# Altium PCB TEBF0808.PcbDoc (part 3 of 11)
Units mm, origin at the board's own origin, x right, y up, seen from the top; angles counter-clockwise.
Board outline 170 x 170 mm, 16 copper layers (L 01, L 02 G, L 03 S, L 04 G, L 05 S, L 06 G, L 07 P, L 08 P, L 09 P, L 10 P, L 11 G, L 12 S, L 13 G, L 14 S, L 15 G, L 16), stack 1.774 mm thick; 609 components, 869 nets, 3941 pads, 2358 vias.
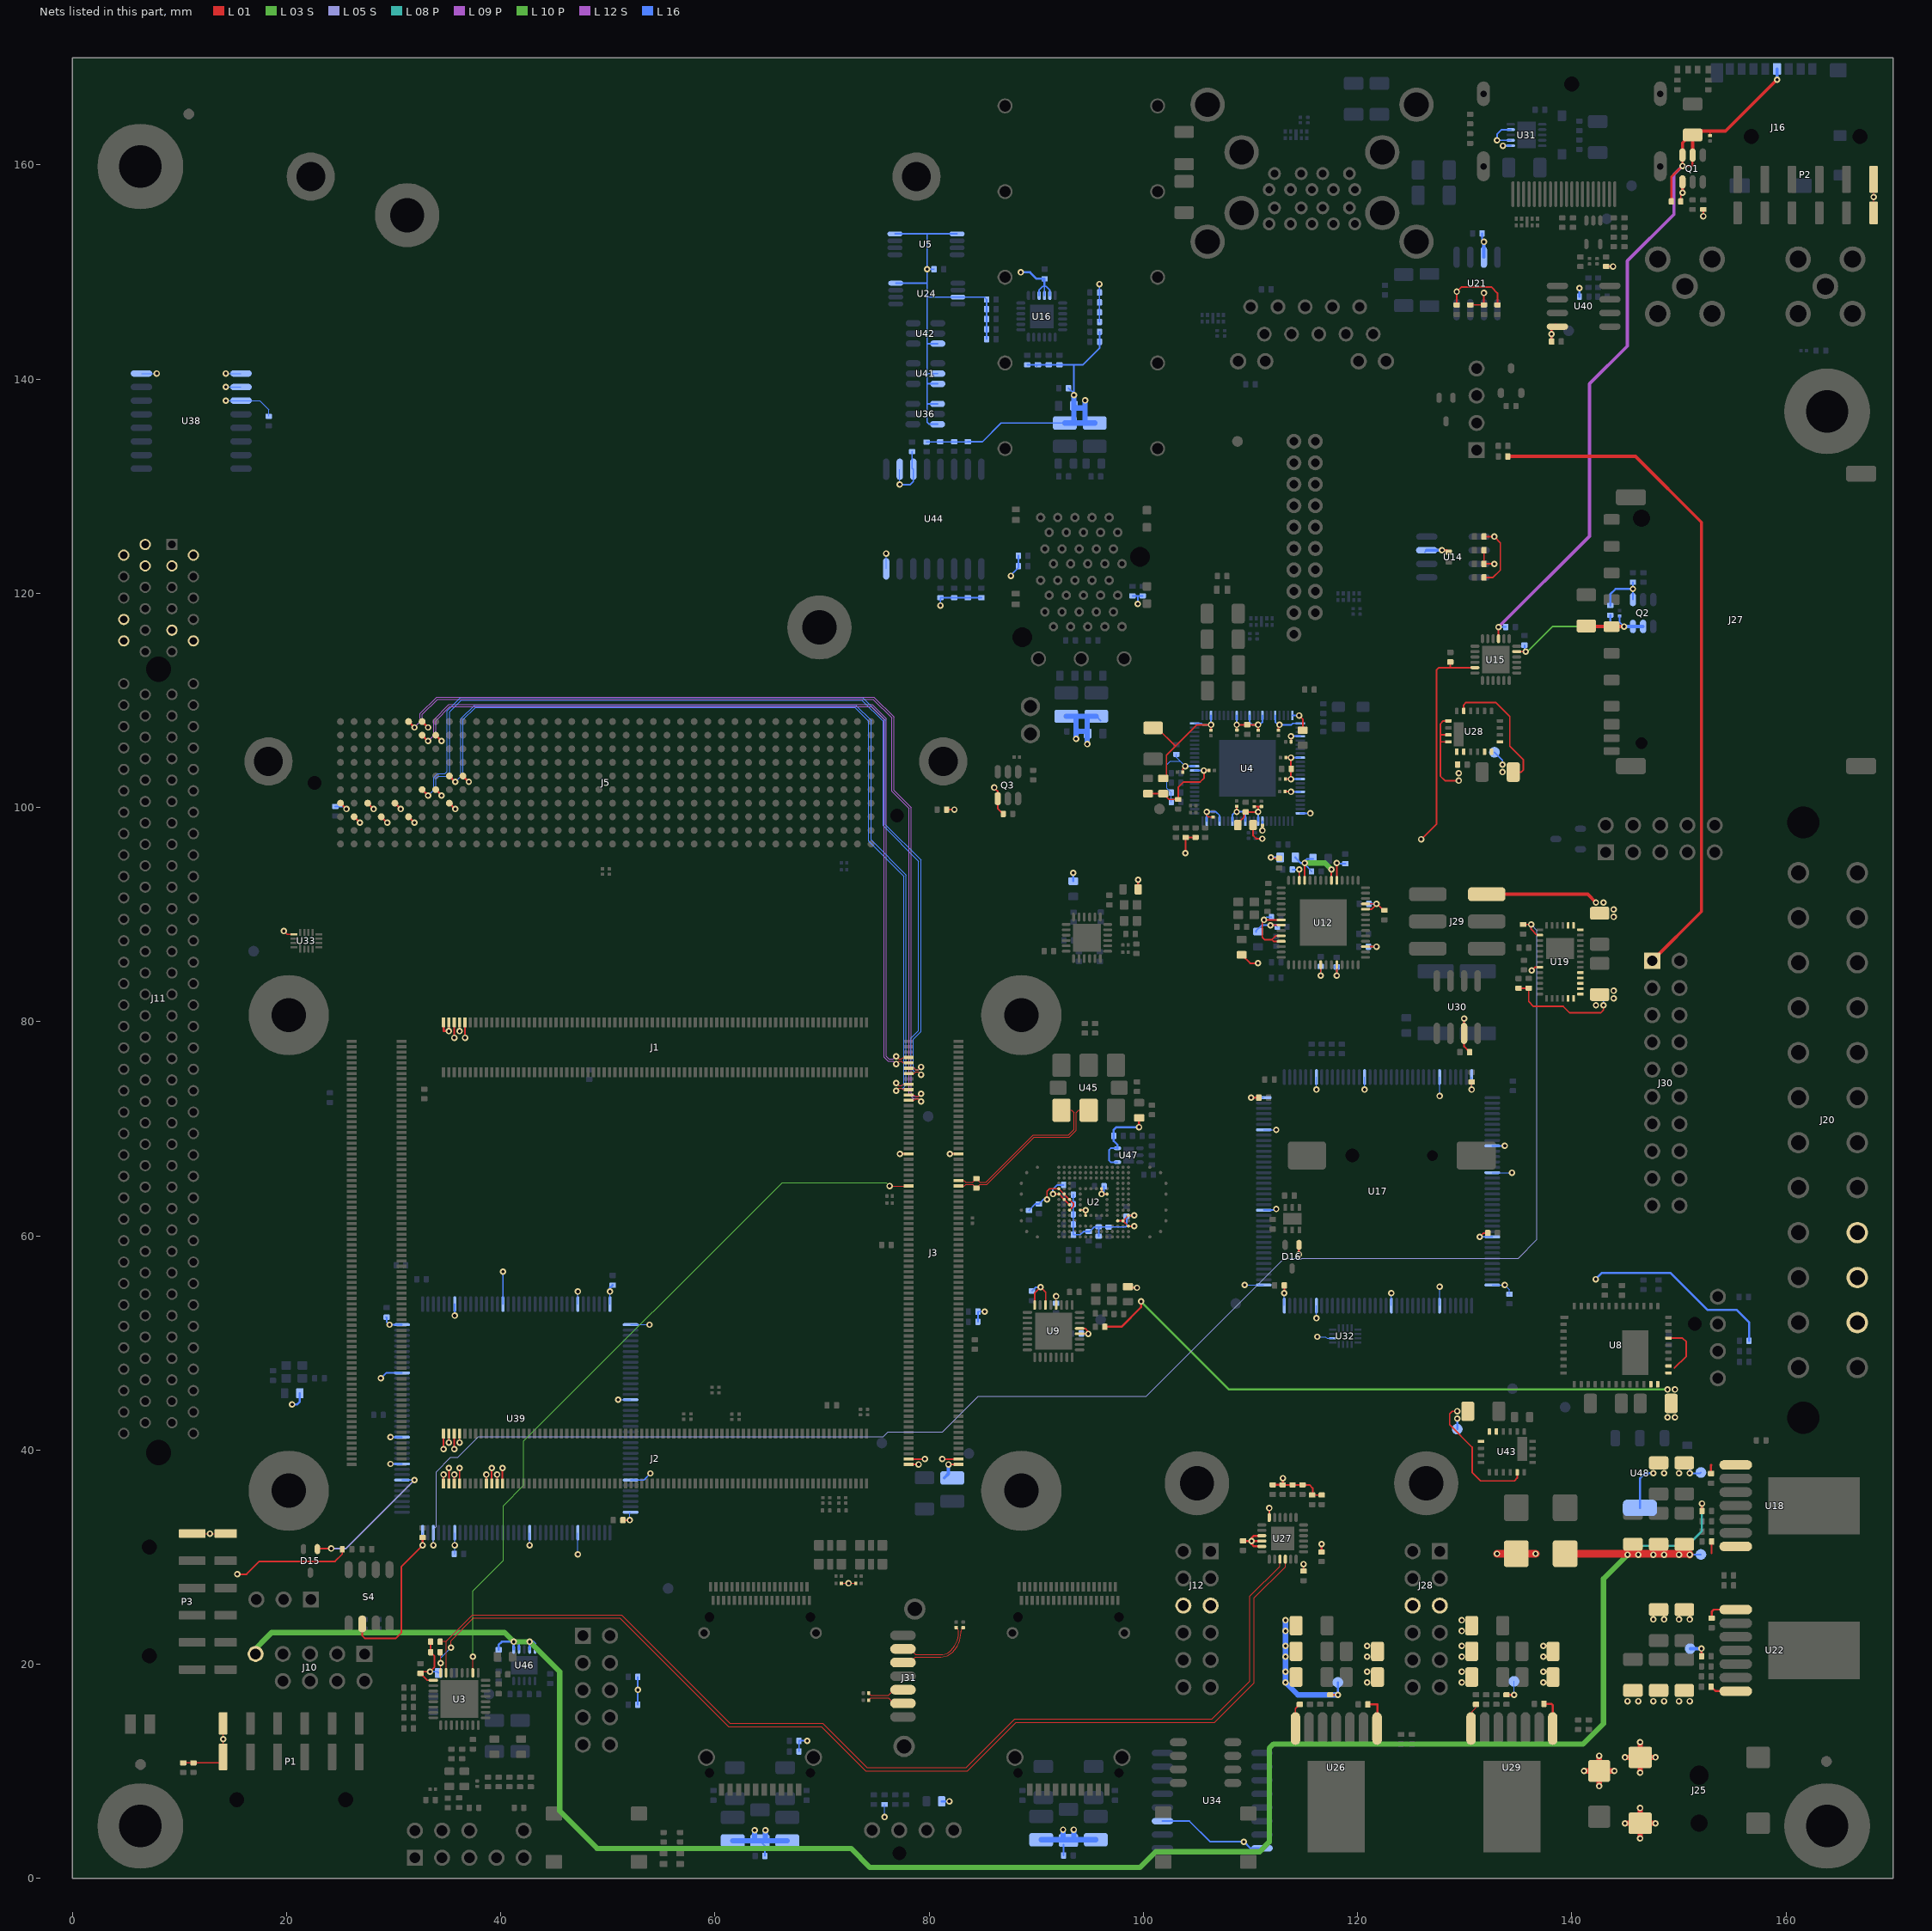
[diagram p17: the nets of this part, all layers, seen from the top]

## Footprints (in the part's own frame and the unit in brackets; to place one, negate y for a bottom-side part, rotate by r counter-clockwise, add the part's x,y. Pads: shape width x height; smd on the part's side, far side on the other; paste and mask are expansions set on the pad) (continued)
SON65P200X210X80-7N-TI [mm] "SOJ, 6-Leads, Body 1,1x2,1mm (max), Pitch 0,65mm, IPC Low Density"
  oval 0.7x0.35 smd: 1(-1.05,0.65) 2(-1.05,0) 3(-1.05,-0.65) 4(1.05,-0.65) 5(1.05,0) 6(1.05,0.65)
  rect 1x1.6 smd: 7(0,0)
  silkscreen extent -1.44,-1.05 1,1.21, body extent -1.05,-1.05 1.05,1.05, height 0.81
SOP65P640X120-8N-MC [mm]
  oval 1.4x0.45 smd: 1(-2.9,0.975) 2(-2.9,0.325) 3(-2.9,-0.325) 4(-2.9,-0.975) 5(2.9,-0.975) 6(2.9,-0.325) 7(2.9,0.325) 8(2.9,0.975)
  silkscreen extent -3.03,-1.55 1.8,1.77, body extent -3.23,-1.5 3.23,1.5, height 1.2
SOT65P210X110-3N [mm] "SOT23, 3-Leads, Body 2,2x2,4mm (max), Pitch 0,65mm, IPC Medium Density"
  oval 0.95x0.5 smd: 1(-1.1,0.65) 2(-1.1,-0.65) 3(1.1,0)
  silkscreen extent -1.22,-1.1 0.67,1.38, body extent -1.13,-1.1 1.11,1.1, height 1.1
SOT65P210X110-5N [mm]
  oval 0.95x0.4 smd: 1(-1.1,0.65) 2(-1.1,0) 3(-1.1,-0.65) 4(1.1,-0.65) 5(1.1,0.65)
  silkscreen extent -1.25,-1.1 0.25,1.25, body extent -1.2,-1.1 1.2,1.1, height 1.1
SOT95P230X109-3N [mm] "SOT23, 3-Leads, Body 3,0x2,5mm (max), Pitch 0,95mm, IPC Medium Density"
  oval 0.95x0.6 smd: 1(-1.15,0.95) 2(-1.15,-0.95) 3(1.15,0)
  silkscreen extent -1.27,-1.5 0.3,1.75, body extent -1.15,-1.52 1.15,1.53, height 1.1
SOT95P237X112-3N [mm]
  oval 1.05x0.6 smd: 1(-1.15,0.95) 2(-1.15,-0.95) 3(1.15,0)
  silkscreen extent -1.28,-1.5 0.7,1.75, body extent -1.25,-1.46 1.23,1.46, height 1.01
SOT95P280X110-6N [mm]
  oval 1.25x0.59 smd: 1(-1.255,0.95) 2(-1.255,0) 3(-1.255,-0.95) 4(1.255,-0.95) 5(1.255,0) 6(1.255,0.95)
  silkscreen extent -1.41,-1.53 0.87,1.9, body extent -1.41,-1.45 1.41,1.45, height 1
SOT95P280X145-6N [mm]
  oval 1.4x0.6 smd: 1(-1.15,0.95) 2(-1.15,0) 3(-1.15,-0.95) 4(1.15,-0.95) 5(1.15,0) 6(1.15,0.95)
  silkscreen extent -1.5,-1.53 0.87,1.8, body extent -1.52,-1.5 1.48,1.5, height 1.3
SOT230P700X180-4N [mm] "SOT223, 4-Leads, Body 6,7x7,3mm (max), Pitch 2,30mm, IPC Medium Density"
  rrect50% 1.51x0.89 smd: 1(-3.25,2.3) 2(-3.25,0) 3(-3.25,-2.3)
  rrect50% 1.51x3.19 smd: 4(3.25,0)
  silkscreen extent -3.45,-3.35 1.85,3.45, body extent -3.5,-3.25 3.5,3.25, height 1.65
SS5-80-3.50-L-D-K-TR [mm]
  rrect20% 0.3x0.93 smd mask+0.05: 1(-19.75,-2.335) 2(-19.75,2.335) 3(-19.25,-2.335) 4(-19.25,2.335) 5(-18.75,-2.335) 6(-18.75,2.335) 7(-18.25,-2.335) 8(-18.25,2.335) 9(-17.75,-2.335) 10(-17.75,2.335) 11(-17.25,-2.335) 12(-17.25,2.335) 13(-16.75,-2.335) 14(-16.75,2.335) 15(-16.25,-2.335) 16(-16.25,2.335) 17(-15.75,-2.335) 18(-15.75,2.335) 19(-15.25,-2.335) 20(-15.25,2.335) 21(-14.75,-2.335) 22(-14.75,2.335) 23(-14.25,-2.335) 24(-14.25,2.335) 25(-13.75,-2.335) 26(-13.75,2.335) 27(-13.25,-2.335) 28(-13.25,2.335) 29(-12.75,-2.335) 30(-12.75,2.335) 31(-12.25,-2.335) 32(-12.25,2.335) 33(-11.75,-2.335) 34(-11.75,2.335) 35(-11.25,-2.335) 36(-11.25,2.335) 37(-10.75,-2.335) 38(-10.75,2.335) 39(-10.25,-2.335) 40(-10.25,2.335) 41(-9.75,-2.335) 42(-9.75,2.335) 43(-9.25,-2.335) 44(-9.25,2.335) 45(-8.75,-2.335) 46(-8.75,2.335) 47(-8.25,-2.335) 48(-8.25,2.335) 49(-7.75,-2.335) 50(-7.75,2.335) 51(-7.25,-2.335) 52(-7.25,2.335) 53(-6.75,-2.335) 54(-6.75,2.335) 55(-6.25,-2.335) 56(-6.25,2.335) 57(-5.75,-2.335) 58(-5.75,2.335) 59(-5.25,-2.335) 60(-5.25,2.335) 61(-4.75,-2.335) 62(-4.75,2.335) 63(-4.25,-2.335) 64(-4.25,2.335) 65(-3.75,-2.335) 66(-3.75,2.335) 67(-3.25,-2.335) 68(-3.25,2.335) 69(-2.75,-2.335) 70(-2.75,2.335) 71(-2.25,-2.335) 72(-2.25,2.335) 73(-1.75,-2.335) 74(-1.75,2.335) 75(-1.25,-2.335) 76(-1.25,2.335) 77(-0.75,-2.335) 78(-0.75,2.335) 79(-0.25,-2.335) 80(-0.25,2.335) 81(0.25,-2.335) 82(0.25,2.335) 83(0.75,-2.335) 84(0.75,2.335) 85(1.25,-2.335) 86(1.25,2.335) 87(1.75,-2.335) 88(1.75,2.335) 89(2.25,-2.335) 90(2.25,2.335) 91(2.75,-2.335) 92(2.75,2.335) 93(3.25,-2.335) 94(3.25,2.335) 95(3.75,-2.335) 96(3.75,2.335) 97(4.25,-2.335) 98(4.25,2.335) 99(4.75,-2.335) 100(4.75,2.335) 101(5.25,-2.335) 102(5.25,2.335) 103(5.75,-2.335) 104(5.75,2.335) 105(6.25,-2.335) 106(6.25,2.335) 107(6.75,-2.335) 108(6.75,2.335) 109(7.25,-2.335) 110(7.25,2.335) 111(7.75,-2.335) 112(7.75,2.335) 113(8.25,-2.335) 114(8.25,2.335) 115(8.75,-2.335) 116(8.75,2.335) 117(9.25,-2.335) 118(9.25,2.335) 119(9.75,-2.335) 120(9.75,2.335) 121(10.25,-2.335) 122(10.25,2.335) 123(10.75,-2.335) 124(10.75,2.335) 125(11.25,-2.335) 126(11.25,2.335) 127(11.75,-2.335) 128(11.75,2.335) 129(12.25,-2.335) 130(12.25,2.335) 131(12.75,-2.335) 132(12.75,2.335) 133(13.25,-2.335) 134(13.25,2.335) 135(13.75,-2.335) 136(13.75,2.335) 137(14.25,-2.335) 138(14.25,2.335) 139(14.75,-2.335) 140(14.75,2.335) 141(15.25,-2.335) 142(15.25,2.335) 143(15.75,-2.335) 144(15.75,2.335) 145(16.25,-2.335) 146(16.25,2.335) 147(16.75,-2.335) 148(16.75,2.335) 149(17.25,-2.335) 150(17.25,2.335) 151(17.75,-2.335) 152(17.75,2.335) 153(18.25,-2.335) 154(18.25,2.335) 155(18.75,-2.335) 156(18.75,2.335) 157(19.25,-2.335) 158(19.25,2.335) 159(19.75,-2.335) 160(19.75,2.335)
  silkscreen extent -21.98,-2.93 21.57,2.17, body extent -21.98,-2.5 21.56,2.5, height 4.03
"STIFTLEISTE2_54 OG 1R-4" [mm]
  rect 1.5x1.5 hole 1: 1(3.81,0)
  round 1.5 hole 1: 2(1.27,0) 3(-1.27,0) 4(-3.81,0)
  silkscreen extent -5.08,-1.27 6.16,1.27, body extent -5.08,-1.27 5.08,1.23, height 8.2
TE0790-Base [mm]
  rect 1.5x1.5 hole 1: 1(1.27,6.35)
  round 1.5 hole 1: 2(-1.27,6.35) 3(1.27,3.81) 4(-1.27,3.81) 5(1.27,1.27) 6(-1.27,1.27) 7(1.27,-1.27) 8(-1.27,-1.27) 9(1.27,-3.81) 10(-1.27,-3.81) 11(1.27,-6.35) 12(-1.27,-6.35)
  round 6 hole 3.2: H1(0,12.7)
  silkscreen extent -2.54,-7.62 3.27,7.62, body extent -4.78,-7.75 15.24,18.7, height 14.23
TE_76x52mm_Snap [mm]
  round 7.5 hole 3.2: 1(-22.2,-34.2) 2(-22.2,34.2) 3(22.2,34.2) 4(22.2,-34.2)
TP_1mm [mm]
  round 1 smd paste-1: 1(0,0)
  silkscreen extent -0.75,-0.75 0.75,0.75
TraceabilityPad [mm]
  rect 1x1.8 smd: 1(-0.9,0) 2(0.9,0)
  silkscreen extent -1.6,-1.1 1.6,1.1, body extent -1.4,-0.9 1.4,0.9, height 0.3
TSLP-9-1 [mm]
  rect 0.38x0.3 smd: 1(-0.31,1) 2(-0.31,0.5) 4(-0.31,-0.5) 5(-0.31,-1) 6(0.31,-1) 7(0.31,-0.5) 8(0.31,0.5) 9(0.31,1)
  rect 1x0.3 smd: 3(0,0)
  silkscreen extent -0.8,-1.15 0.68,1.15, body extent -0.5,-1.15 0.5,1.15, height 0.32
UCC8-010-1-X-S-1-A [mm]
  rect 0.5x1.14 smd mask+0.05: 1(-3.6,-1.56) 2(-2.8,-1.56) 3(-2,-1.56) 4(-1.2,-1.56) 5(-0.4,-1.56) 6(0.4,-1.56) 7(1.2,-1.56) 8(2,-1.56) 9(2.8,-1.56) 10(3.6,-1.56)
  round 1.6 hole 1.2: F1(-5,1.45) F2(5,1.45)
  round 0 hole 0.89 unplated: MH1(-4.725,0) MH2(4.725,0)
  L 01 region: 4.255,2.147 5.697,2.147 5.697,0.753 3.913,0.753 3.913,1.805 4.255,2.147
  L 01 region: -5.697,2.147 -4.255,2.147 -3.913,1.805 -3.913,0.753 -5.697,0.753 -5.697,2.147
  silkscreen extent -6.12,-2.5 6.12,4.2, body extent -5.62,-2.05 5.63,2.91, height 3.91
UEC5-019-1-X-D-RA-1-A [mm] "UEC5-019-1-X-D-RA-1-A"
  rect 0.3x0.85 smd mask+0.05: A1(-4.615,2.825) A2(-4.115,2.825) A3(-3.615,2.825) A4(-3.115,2.825) A5(-2.615,2.825) A6(-2.115,2.825) A7(-1.615,2.825) A8(-1.115,2.825) A9(-0.615,2.825) A10(-0.115,2.825) A11(0.385,2.825) A12(0.885,2.825) A13(1.385,2.825) A14(1.885,2.825) A15(2.385,2.825) A16(2.885,2.825) A17(3.385,2.825) A18(3.885,2.825) A19(4.385,2.825) B1(-4.385,1.575) B2(-3.885,1.575) B3(-3.385,1.575) B4(-2.885,1.575) B5(-2.385,1.575) B6(-1.885,1.575) B7(-1.385,1.575) B8(-0.885,1.575) B9(-0.385,1.575) B10(0.115,1.575) B11(0.615,1.575) B12(1.115,1.575) B13(1.615,1.575) B14(2.115,1.575) B15(2.615,1.575) B16(3.115,1.575) B17(3.615,1.575) B18(4.115,1.575) B19(4.615,1.575)
  round 1.1 hole 0.7: F1(-5.225,-1.48) F2(5.225,-1.48)
  round 0 hole 0.89 unplated: MH1(-4.725,0) MH2(4.725,0)
  L 01 region: 4.764,-1.671 4.872,-1.833 5.034,-1.941 5.225,-1.979 5.416,-1.941 5.578,-1.833 5.686,-1.671 5.724,-1.48 5.724,-0.325 5.325,-0.325 5.2,-0.5 5,-0.625 4.75,-0.675 4.75,-1.48
  L 01 region: -4.764,-1.671 -4.872,-1.833 -5.034,-1.941 -5.225,-1.979 -5.416,-1.941 -5.578,-1.833 -5.686,-1.671 -5.724,-1.48 -5.724,-0.325 -5.325,-0.325 -5.2,-0.5 -5,-0.625 -4.75,-0.675 -4.75,-1.48
  silkscreen extent -6.12,-4.05 6.12,4.15, body extent -5.62,-3.56 5.63,3.09, height 3.33
"WANNE2,54-10 GERADE" [mm] "Connector; IDC, Low Profile Male Header, Thru-Hole; 10 Position; Vertical; Pitch 2.54 mm; Body 20.32 x 9.2 x 9.45 mm (LxWxH)"
  rect 1.5x1.5 hole 1: 1(-5.08,-1.27)
  round 1.5 hole 1: 2(-5.08,1.27) 3(-2.54,-1.27) 4(-2.54,1.27) 5(0,-1.27) 6(0,1.27) 7(2.54,-1.27) 8(2.54,1.27) 9(5.08,-1.27) 10(5.08,1.27)
  silkscreen extent -10.16,-5.25 10.16,4.45, body extent -10.16,-4.45 10.16,4.75, height 9.5
"WANNE2,54-20 GERADE" [mm] "Connector; IDC, Low Profile Male Header, Thru-Hole; 20 Position; Vertical; Pitch 2.54 mm; Body 33.02 x 9.2 x 9.45 mm (LxWxH)"
  rect 1.5x1.5 hole 1: 1(-11.43,-1.27)
  round 1.5 hole 1: 2(-11.43,1.27) 3(-8.89,-1.27) 4(-8.89,1.27) 5(-6.35,-1.27) 6(-6.35,1.27) 7(-3.81,-1.27) 8(-3.81,1.27) 9(-1.27,-1.27) 10(-1.27,1.27) 11(1.27,-1.27) 12(1.27,1.27) 13(3.81,-1.27) 14(3.81,1.27) 15(6.35,-1.27) 16(6.35,1.27) 17(8.89,-1.27) 18(8.89,1.27) 19(11.43,-1.27) 20(11.43,1.27)
  silkscreen extent -17.6,-4.45 16.51,4.45, body extent -16.51,-4.45 16.51,4.75, height 9.5
WANNE2mm2R-19_Intel_USB [mm]
  round 1.4 hole 0.8: 1(-9,1) 2(-7,1) 3(-5,1) 4(-3,1) 5(-1,1) 6(1,1) 7(3,1) 8(5,1) 9(7,1) 10(9,1) 11(9,-1) 12(7,-1) 13(5,-1) 14(3,-1) 15(1,-1) 16(-1,-1) 17(-3,-1) 18(-5,-1) 19(-7,-1)
  silkscreen extent -11.51,-3.55 11.51,4.95, body extent -11.5,-3.5 11.5,3.5, height 7

## Part data
B1: library part 25140
C1 C65 C66 C79 C99 C103 C105 C109 C111 C113 C117 C125 C126 C129 C137 C156 C157 C174 C184 C231: library part 24886, "KON 22µF X5R 25V SMD 10%"
C2 C3 C4 C5 C6 C7 C8 C9 C10 C16 C17 C25 C69 C70 C87 C89 C91 C93 C94 C95 C121 C122 C123 C124 C135 C139 C140 C147 C148 C150 C151 C152 C155 C176 C178 C179 C182 C185 C197 C200 C202 C203 C205 C210 C212 C221 C222 C223 C224 C226 C228 C232 C234 C236 C240: library part 24915, "KON 100nF 6.3V X5R SMD 10%"
C11 C12 C13 C15 C18 C20 C34 C48 C49 C51 C58 C59 C61 C63 C136 C204 C239: library part 22918, "KON 10µF 6,3V X5R SMD"
C14 C19 C21 C22 C23 C24 C26 C27 C28 C29 C30 C31 C33 C35 C37 C38 C43 C44 C46 C47 C50 C52 C53 C54 C57 C60 C62 C64 C75 C76 C97 C104 C106 C108 C110 C112 C114 C116 C118 C119 C120 C127 C130 C138 C141 C142 C143 C144 C145 C158 C161 C162 C163 C164 C165 C167 C169 C175 C180 C181 C183 C187 C193 C194 C195 C215 C217: library part 23659, "KON 470nF 6,3V X5R SMD"
C32 C36 C39 C41 C82 C86 C107 C115 C131 C159 C160 C196 C207 C208 C216 C230: library part 24719, "KON 4.7µF 6.3V X5R SMD 20%"
C40 C83 C84 C85 C257 C258 C259 C260: library part 26278, "KON 100µF 10V X5R SMD 20%"
C42 C67 C78 C96 C98 C199: library part 24557, "KON 47µF 6.3V  X5R SMD 20%"
C45 C149: library part 22679, "KON 100pF 1000V X7R 10%"
C55 C56 C72 C73 C74 C132 C146 C153 C168 C171 C172 C188 C189 C190: library part 23116, "KON 100µF 6,3V X5R SMD 20%"
C68 C81 C100 C128 C166 C186: library part 23916, "KON 33nF 25V X7R SMD"
C71 C77 C154 C170 C173 C191: library part 22768, "KON 220nF 16V X7R SMD"
C80 C261: library part 23951, "KON 15pF NPO 50V SMD"
C88 C101 C206 C218 C219: library part 26312, "KON 10nF X7R 10V SMD 10%"
C134 C214: library part 23752, "KON 1nF NP0 SMD 5%"
C177 C220: library part 24921, "KON 470nF X5R 6.3V SMD 20%"
C192: library part 23923, "KON 33nF 50V X7R SMD 10%"
C198: library part 25341, "KON 10µF 16V X5R SMD 20%"
C255 C256: library part 22597, "KON 10pF NPO 50V SMD 5%"
D1 D5 D7 D9: library part 24212, "LED Rot SML-P11UTT86 SMD"
D2: library part 26768
D3: library part 25362, "WE-TVS Array 82402374"
D4 D6 D17: library part 24211, "LED Grün SML-P11MTT86 SMD"
D8 D10: library part 25986
D11: library part 25534, "TVS, Unidirectional, 20V, 600W"
D12 D13: library part 24916, "B360B-13-F SMD"
D14: library part 27400
D15 D16 D18: library part 25051
J1 J2 J3 J4: library part 27219, "Samtec Ultra Fine Pitch Socket REF192552-01, 160 Pins"
J5: library part 24851, "ASP-134486-01 female, CC-HPC-10"
J6 J21: library part 27355, "UEC5-019-1-H-D-RA-1-A"
J7: library part 27271
J8: library part 27248, "Stiftleiste USB3 Wanne 19polig 0°"
J9: library part 27249, "Stiftleiste Intel HDA Header 9polig"
J10: library part 27250, "Stiftleiste Intel RST-LED Header 9polig"
J11: library part 23437, "PCIe-x16, 30µin, Twin Plastic, Black"
J12 J28: library part 26694
J13: library part 23865, "DisplayPort Verbinder, Buchse liegend"
J14: library part 27231, "SFP+ 2x1 Connector  Sp Fing 4LP EMI Enhanced"
J15 J22: library part 27354
J16: library part 26322, "microSD Memory Card Connector with Detect Switch"
J17 J24: library part 20125, "Stiftleiste Wanne 10polig"
J19: library part 25507, "Wire to board, 2 pol. header 0°"
J20: library part 23452, "ATX Main Connector 24pol."
J23: library part 23162, "Stiftleiste gerade 1-reihig, 4pol."
J25: library part 26873
J26 J35: library part 24942, "Stiftleiste 4 Pol. 7.5mm 2,54mm PC FAN"
J27: library part 24818, "MCC SD Socket"
J29: library part 22742, "Stiftleiste gerade 2-reihig, 6pol. SMD"
J30: library part 20127, "Stiftleiste Wanne 20polig"
J31: library part 25614, "SATA 7Pol. Connector Vertical"
J32 J33: library part 22825
J34: library part 22328, "Stiftleiste gerade 1-reihig, 3pol."
L1 L2 L6 L8 L9 L11 L12 L13 L14: library part 25265, "IND SMD 1µH +-20% 0.055Ohm"
L3 L4 L5 L7 L10 L15 L18 L19 L20 L21 L22: library part 22718, "Ferritdurchführung MPZ1608S221A"
L16 L17: library part 25393, "Ferritdurchführung SMD 0201"
LOGO1: library part 23748
M1: library part 25328
P1 P2 P3: library part 27149, "PMod 2x6 SMD Socket 90°"
PM1 PM2 PM3 PM4 PM5 PM6: library part 22905, "FIDU-DOT - SMALL 1mm"
Q1 Q2 Q3: library part 25004
R1 R3 R6 R10 R29 R34 R35 R64 R69 R70 R77 R81 R83 R85 R89 R90 R91 R92 R93 R94 R95 R96 R99 R106 R110 R111 R126 R129 R145 R153 R157 R158 R162 R163 R164 R169 R184 R199 R201 R202 R203: library part 22750, "WID SMD 10K 1% 0,063W"
R2 R14 R15 R17 R18 R21 R27 R33 R40 R41 R46 R50 R62 R63 R86 R87 R98 R107 R108 R113 R114 R115 R116 R117 R118 R119 R120 R121 R122 R123 R124 R127 R130 R131 R132 R140 R141 R142 R144 R148 R149 R159 R165 R166 R167 R173 R174 R179 R183 R185 R186 R196 R198: library part 22754, "WID SMD 4K99 1% 0,063W"
R4 R5 R25 R26 R71 R76 R135 R136: library part 25073, "WID SMD 2K 1% 0,063W"
R7 R13 R19 R68 R103 R112 R128 R151 R168 R189: library part 22770, "WID SMD 33R 1% 0,063W"
R8 R20 R24 R30 R31 R32 R43 R44 R79 R80 R109 R154 R155 R156 R160 R161 R177 R178 R181 R182 R187 R188 R194: library part 22738, "WID SMD 0R"
R9 R55 R65 R82: library part 25052, "WID SMD 8K06 1% 0,063W"
R11 R12 R28 R36 R37 R59 R60 R61 R146 R180 R197: library part 22507, "WID SMD 100R 1% 0,063W"
R16 R143: library part 22757, "WID SMD 1M 5% 0,25W"
R22 R23 R152: library part 24677, "WID SMD 49K9 1% 0,063W"
R38 R39 R42 R125 R192 R193: library part 22558, "WID SMD 100K 1% 0,063W"
R45 R53 R57 R66 R170: library part 22585, "WID SMD 4K7 1% 0,063W"
R47 R49: library part 22599, "WID SMD 1M 1% 0,063W"
R48 R54 R56 R58 R67 R72 R73 R74 R75 R78 R171: library part 22602, "WID SMD 1K5 1% 0,063W"
R51 R150: library part 26470, "WID SMD 147K 1% 0,063W"
R52: library part 26467, "WID SMD 105K 1% 0,063W"
R84 R97: library part 23135, "WID SMD 49R9 1% 0,063W"
R88 R137 R139 R191 R204: library part 22598, "WID SMD 12K 1% 0,063W"
R100 R133: library part 27515, "WID SMD 59R 2W 1%"
R101 R102 R104 R105: library part 22740, "WID SMD 249R 1% 0,063W"
R134 R172: library part 22503, "WID SMD 100R 1% 0,05W"
R138 R147 R205: library part 23846, "WID SMD 200K 1% 0,063W"
R190: library part 23661, "WID SMD 240R 1% 0,063W"
R195: library part 22758, "WID SMD 200R 1% 0,063W"
R200: library part 24678, "WID SMD 6K04 1% 0,063W"
S1 S2: library part 22596, "Taster Miniatur Leiterplatte 1.6N"
S4 S5: library part 23417, "DIP Schalter 4 fach 1,27mm SMD"
S/N: library part 27230
Serial: library part 26753
SNAP1: library part 27115, "TE0808 76x52mm Snap"
SNAP2 SNAP3: library part 27358
T1: library part 26613
TP1 TP2 TP3 TP4 TP5 TP6 TP7 TP8 TP9 TP10 TP11 TP12 TP13 TP15 TP18 TP19 TP28 TP29 TP30 TP31 TP32 TP33 TP36: library part 25063
U1: library part 25453, "FMC-MM-Single PCB Baseboard Snap"
U2: library part 25015
U3: library part 27279
U4: library part 27573, "CYUSB3324-88LTXC USB 3.0 Hub"
U5 U24: library part 22933
U6: library part 27516, "DSC1123CI2-100.0000T 100MHz LVDS clock"
U7 U13: library part 27228
U8: library part 25127
U9: library part 24992
U10: library part 25009, "SiT8008AI-73-XXS-52.000000E MEMS Oszillator 52MHz"
U11 U20 U49 U50 U51: library part 25369, "TVS UL Cap. 4xIOs ESD 3.3V"
U12: library part 24652
U14 U21: library part 27612
U15: library part 24904
U16 U27: library part 26513
U17 U39: library part 25915
U18 U22 U26 U29: library part 26051
U19: library part 24486
U23: library part 27517, "DSC1123CI2-150.0000 150MHz LVDS clock"
U25: library part 27547, "SiT8008BI-71-33S-24.576000 MEMS Oszillator 24.576000MHz"
U28 U43: library part 25492
U30: library part 27518, "TCAN337GDR  CAN Transceivers"
U31 U46: library part 25235
U32 U33: library part 27170
U34 U38 U44: library part 26502
U35: library part 25121, "SI5338A-B-GM"
U36 U41 U42: library part 26249
U37: library part 25062
U40: library part 26577
U45: library part 24194, "Si570 , LVDS , 2.5V , 250MHz"
U47: library part 22805
U48: library part 27029
Y1: library part 27574, "Quarz Crystal 26Mhz 10ppm 8pF -20C +70°C"

## Free pads (board coordinates)
  round 8 hole 3.96: C(6.35,159.84) F(163.83,136.98) H(6.35,4.9) J(163.83,4.9)

## Via types
v1: diameter 0.6, hole 0.3, L 01 to L 16, 2356 vias
v2: diameter 0.6/0/0/0/0/0/0/0/0/0/0/0/0/0/0/0.6 (per signal layer), hole 0.3, L 01 to L 16, 2 vias

## Nets (pads, with @x,y where several pads share a name; then routed paths per layer and width w, separated by ;. In a path a pad name is that pad's centre, name@x,y a point inside that pad or via, vN(x,y) a via of type N, cw(c..) or ccw(c..) an arc to the next point about the centre after c; other vN are vias at no path point)
1.2V: C96.1 C210.2 C212.2 C224.2 C226.2 C228.2 C230.1 C231.2 C240.2 L3.2 TP9.1 U4.12 U4.15 U4.18 U4.21 U4.44 U4.47 U4.53 U4.56 U4.59 U4.62 U4.67 U28.5 U28.6 U28.7 U28.15 | length 44.7
  L 01 w0.15: C231.2@100.9,107.425 101.275,107.425 102.988,105.713 ; L3.2@101.85,102.71 102.15,103.01 102.15,104.875 102.988,105.713 ; v1(105.91,99.59) 105.9,99.6 105.9,99.275 106.08,99.095 C228.2@106.5,99.095 ; C212.2@106.3,107.202 106.31,107.212 v1(106.31,107.71) 104.985,107.71 102.988,105.713 ; C226.2@108.7,100.098 108.7,99.6 v1(108.71,99.59) ; C210.2@108.725,107.227 108.71,107.242 v1(108.71,107.71) v1(110.71,107.71) 110.725,107.695 C224.2@110.725,107.202 ; C240.2@112.6,107.2 112.6,107.6 v1(112.71,107.71) ; U28.15@129.9,109 129.9,109.575 130.125,109.8 132.875,109.8 134.2,108.475 134.2,105.725 135.475,104.45 135.475,103.5 135.275,103.3 C96.1@134.525,103.3 134.525,103.45 C96.1@134.175,103.8
  L 16 w0.15: U4.44@104.775,107.85 105.4,107.85 105.54,107.71 v1(106.31,107.71) U4.47@106.31,108.585 ; U4.21@105.91,98.715 v1(105.91,99.59) 106.76,99.59 107.11,99.24 U4.18@107.11,98.715 ; U4.15@108.31,98.715 108.31,99.34 108.56,99.59 v1(108.71,99.59) 109.235,99.59 109.51,99.315 U4.12@109.51,98.715 ; v1(108.71,107.71) U4.53@108.71,108.585 ; U4.56@109.91,108.585 109.91,107.965 110.165,107.71 v1(110.71,107.71) 110.86,107.71 111.11,107.96 U4.59@111.11,108.585 ; U4.62@112.31,108.585 112.31,107.96 112.56,107.71 v1(112.71,107.71) 113.81,107.71 113.95,107.85 U4.67@114.645,107.85 ; TP9.1@132.775,105.15 133.525,104.4 v1(133.525,104)
  other v1: 133.525,103.3
1.8V: C14.1 C18.1 C19.1 C22.1 C27.1 C28.1 C43.1 C78.1 C80.1 C107.1 C108.1 C158.2 C215.2 C217.2 D16.1 J3.43 J3.44 J12.6 L5.1 L18.1 R4.2 R5.2 R14.1 R51.2 R89.1 R90.1 R91.1 R92.1 R93.1 R94.1 R95.1 R96.1 R99.1 R135.2 R136.2 R141.1 R142.1 R184.1 TP7.1 U2.AA3 U2.AA5 U2.H10 U2.J9 U2.K6 U2.K8 U2.W4 U2.Y4 U3.1 U9.28 U9.30 U9.32 U12.10 U12.11 U12.49 U12.52 U15.5 U16.21 U16.22 U16.23 U17.37 U17.51 U17.66 U19.5 U19.6 U19.7 U19.8 U19.9 U19.10 U19.11 U27.18 U27.21 U27.22 U27.23 U39.7 U39.16 U39.30 U39.37 U39.51 U39.66 | length 109.9
  L 01 w0.1: U9.28@91.85,53.54 v1(91.85,54.35)
  L 01 w0.15: R4.2@33.455,22.1 R5.2@33.455,21.125 33.8,20.78 33.8,19.7 v1(33.4,19.3) 32.65,19.3 C19.1@32.5,19.15 33.15,18.5 U3.1@33.7,18.5 ; v1(77.26,67.653) J3.43@78.07,67.653 ; v1(81.93,67.653) J3.44@82.74,67.653 ; U9.32@89.85,53.54 89.85,54.65 v1(90.4,55.2) 90.875,54.725 90.875,53.565 U9.30@90.85,53.54 ; v1(91,63.4) 91,64.15 91.25,64.4 U2.H10@92.1,64.4 U2.K8@93.1,63.4 93.45,63.05 93.45,62.75 U2.K6@93.1,62.4 ; U2.W4@97.6,61.4 U2.Y4@98.1,61.4 ; v1(99.15,60.9) U2.AA3@98.6,60.9 U2.Y4@98.1,61.4 ; v1(99.15,61.9) U2.AA5@98.6,61.9 U2.Y4@98.1,61.4 ; L5.1@109.175,86.24 109.965,85.45 v1(110.7,85.45) ; U27.18@111.75,33.7 v1(111.75,34.575) ; v1(116.55,84.3) U12.49@116.55,85.31 ; v1(118.05,84.3) U12.52@118.05,85.31 ; U12.10@120.74,90.5 121.325,90.5 121.8,90.975 121.8,91 122.405,90.395 R14.1@122.5,90.395 ; U12.11@120.74,91 v1(121.75,91) ; v1(125.925,97.025) 127.375,98.475 127.375,112.85 127.575,113.05 128.65,113.05 ; C43.1@128.65,113.575 128.65,113.05 ; U15.5@130.95,113.05 128.65,113.05 ; C80.1@135.035,83.13 C80.1@135.025,83.12 135.965,83.12 R51.2@135.975,83.13 135.975,81.875 136.425,81.425 139.2,81.425 139.8,80.825 142.7,80.825 142.95,81.075 v1(142.95,81.525)